# Altium PCB Avyaan 2.0.PcbDoc (part 3 of 3)
Units mm, origin at the board's own origin, x right, y up, seen from the top; angles counter-clockwise.
Board outline 364 x 499 mm, 2 copper layers (Top Layer, Bottom Layer), stack 3.2 mm thick; 226 components, 0 nets, 1029 pads, 6 vias.
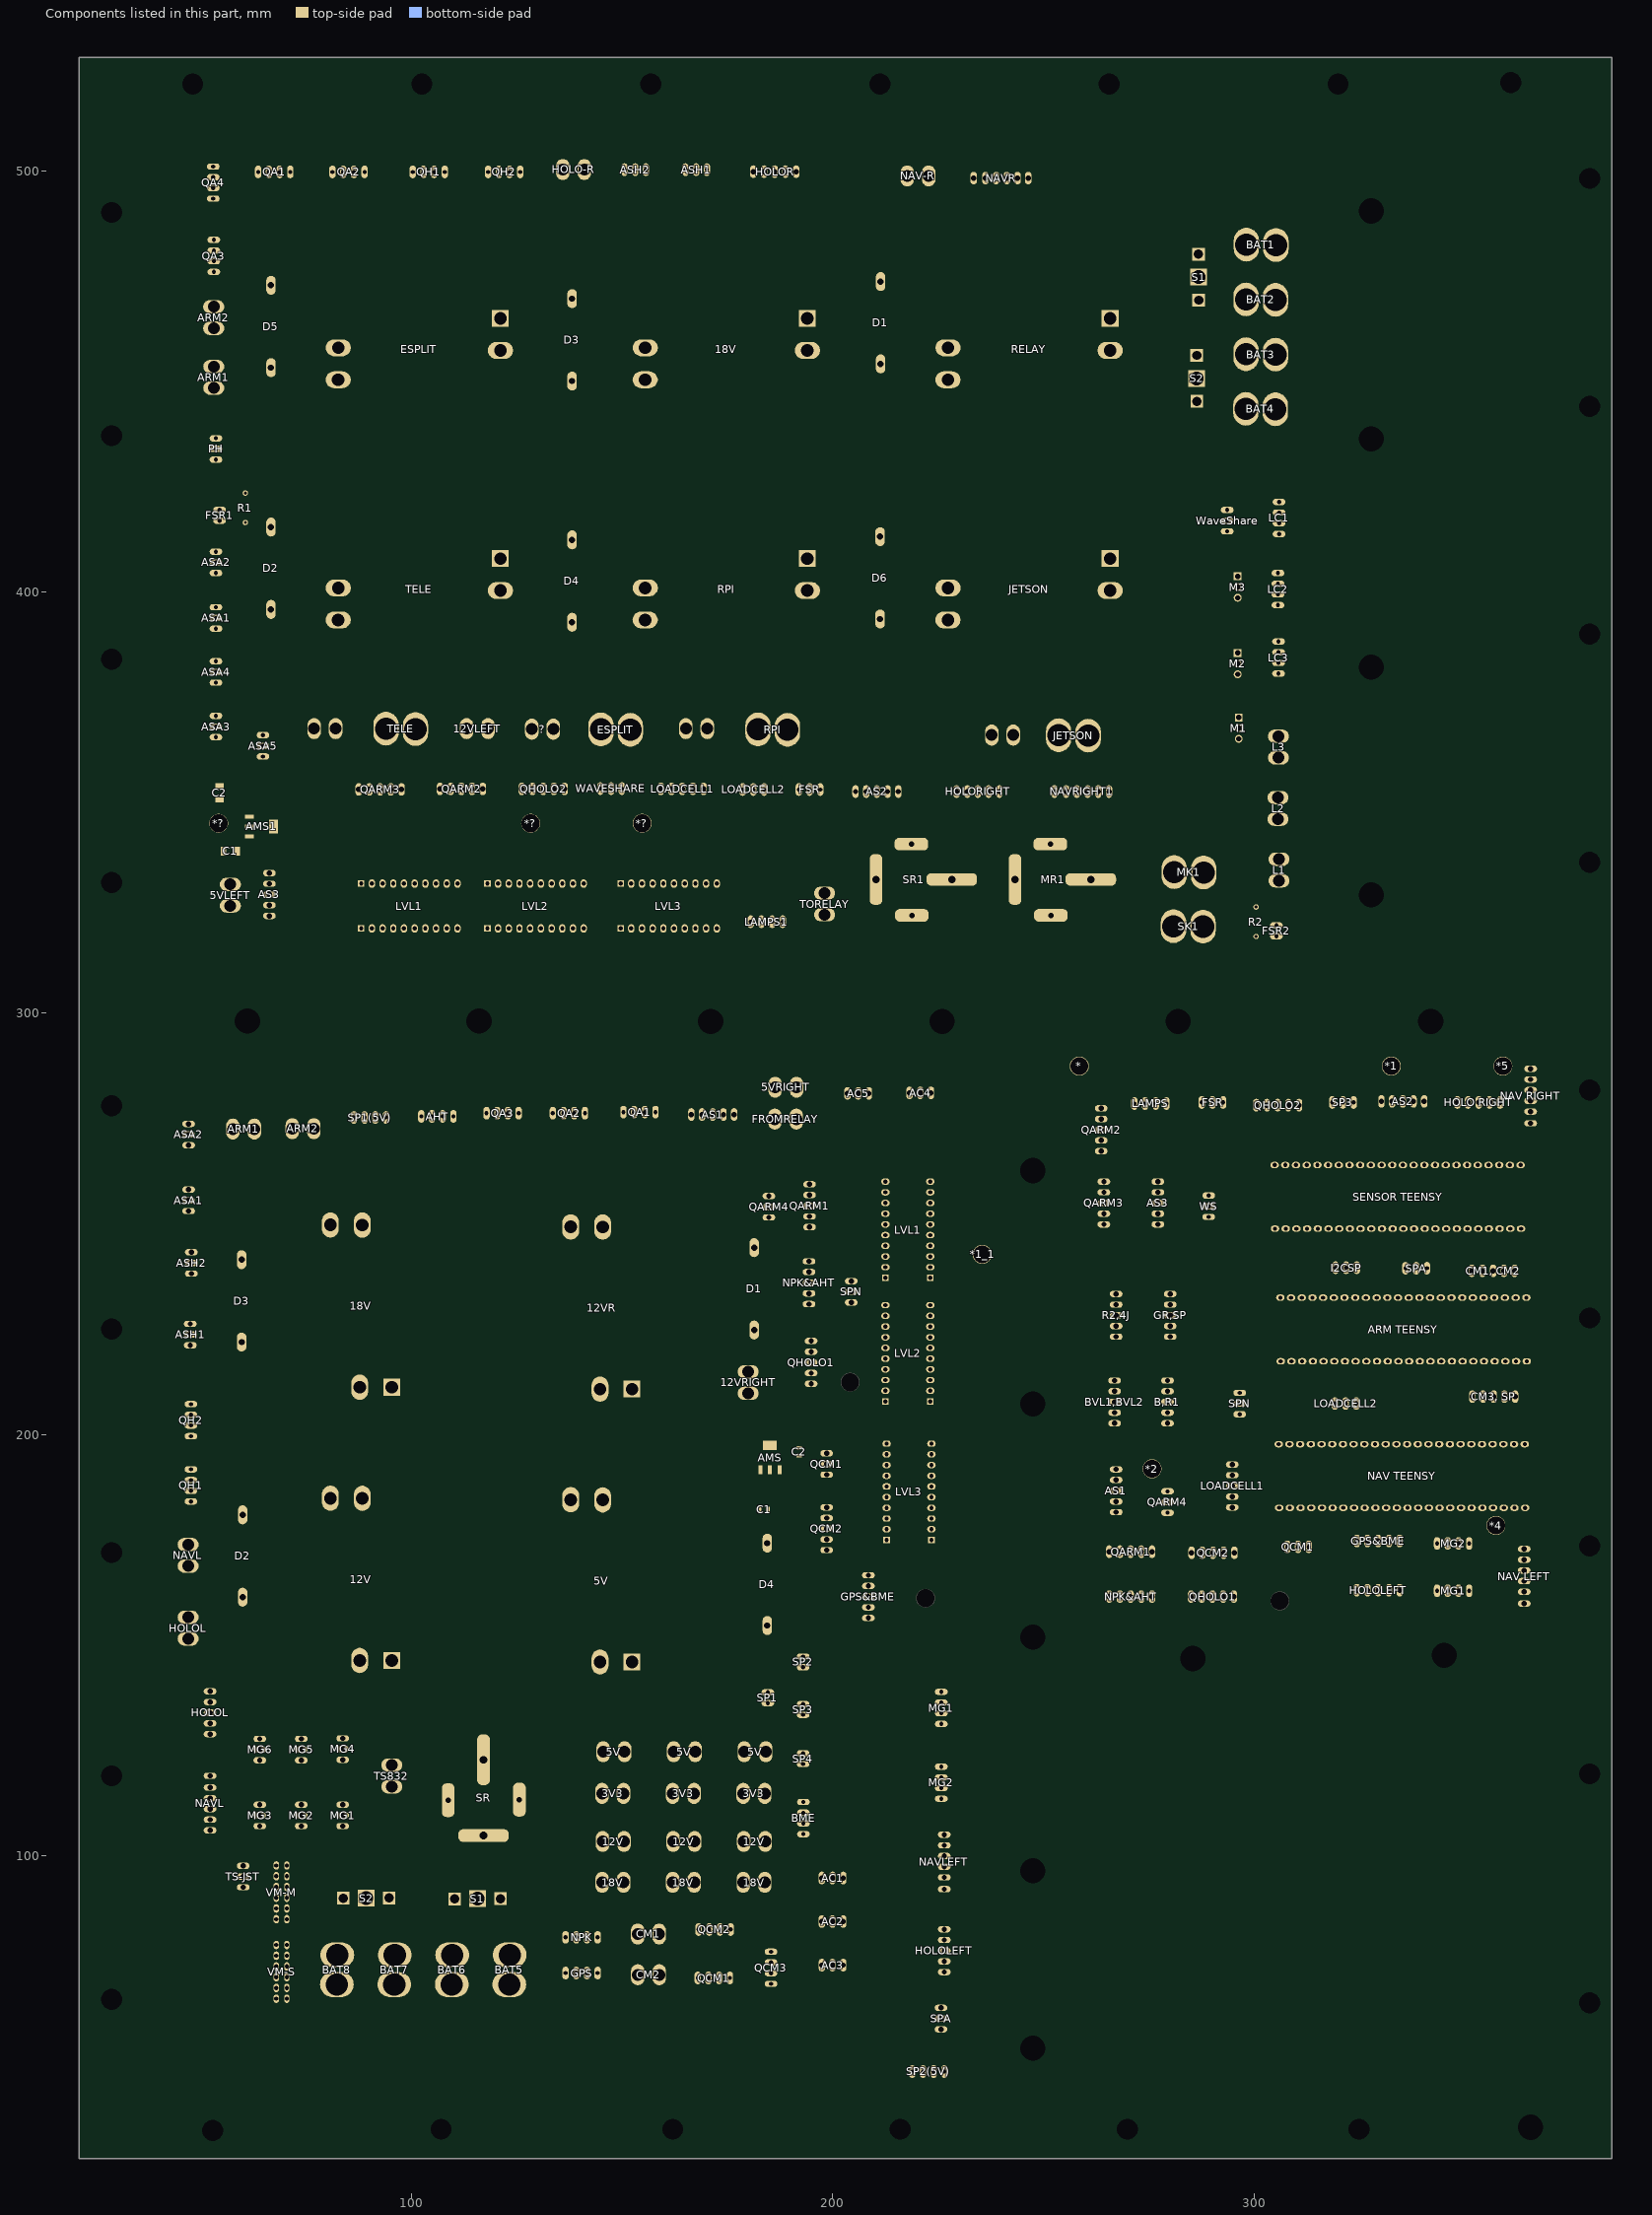
[diagram p3: the components of this part, seen from the top]

## Via types
v1: diameter 1.27, hole 0.711, Top Layer to Bottom Layer, 5 vias
v2: diameter 1.5, hole 0.711, Top Layer to Bottom Layer, 1 vias

## Nets (pads, with @x,y where several pads share a name; then routed paths per layer and width w, separated by ;. In a path a pad name is that pad's centre, name@x,y a point inside that pad or via, vN(x,y) a via of type N, cw(c..) or ccw(c..) an arc to the next point about the centre after c; other vN are vias at no path point) (continued)
copper on no net: (continued)
  Bottom Layer w0.4: 153.086,500.329 153.086,499.579 151.054,497.547 151.054,480.48 183.82,447.714 183.82,400.597 194.361,390.056 194.361,371.314 213.03,352.645 ; 167.564,500.329 165.024,497.789 165.024,468.669 184.836,448.857 184.836,401.74 195.885,390.691 195.885,372.33 215.57,352.645
  Bottom Layer w0.6: 47.045,268.651 47.795,268.651 52.412,273.269 52.412,277.202 56.561,281.351 177.15,281.351 181.77,276.731 181.77,271.28 186.39,266.66 202.298,266.66 205.57,263.388 205.57,254.387 210.102,249.855 212.526,249.855 ; 212.018,220.518 212.526,220.518 213.669,220.518 218.495,215.692 218.495,193.072 213.048,187.625 212.798,187.625
  Bottom Layer w1: 137.774,184.475 137.774,173.966 157.135,154.605 184.459,154.605
  Bottom Layer w1.5: 59.872,180.894 59.872,189.276 72.826,202.23 72.826,245.156 62.645,255.337 62.645,259.305 ; 62.645,272.488 62.645,259.305 ; 71.663,272.588 71.663,268.323 62.645,259.305

## Polygon pours and split planes (outlines as drawn)
no net on Mechanical 16 (solid): 675.155,431.68
no net on Mechanical 16 (solid): 57.32,403.155
no net on Mechanical 16 (solid): 569.603,296.058
no net on Mechanical 16 (solid): 385.435,322.241
no net on Bottom Layer "Bottom Layer-GND" (solid, pour order 72): 35.32,289.77 239.84,289.77 239.84,42.26 35.22,42.26 35.22,289.67
no net on Bottom Layer "GND" (solid, pour order 74): 255.381,154.483 255.381,290.119 373.11,290.119 373.11,289.992 373.11,154.229 255.381,154.229
no net on Bottom Layer "NONET_L02_P073" (solid, remove dead copper, pour order 73): 36.5,306.482 36.5,513.5 320.463,513.5 320.472,512.865 320.463,306.482
no net on Bottom Layer "NONET_L02_P053" (solid, remove dead copper, pour order 53): 883.365,371.762

## Silkscreen, mask and mechanical layers (free items; w line width, h text height)
Top Overlay:
  drawing of 36 lines, arcs and shapes, not listed
  text "3V3" at 151.011,504.526 h0.8 r90
  text "A7" at 153.551,504.526 h0.8 r90
  text "GND" at 156.091,504.526 h0.8 r90
  text "3V3" at 165.362,504.526 h0.8 r90
  text "A6" at 167.902,504.526 h0.8 r90
  text "GND" at 170.442,504.526 h0.8 r90
  text "GND" at 181.618,504.526 h0.8 r90
  text "PWM(6)" at 184.222,504.526 h0.8 r90
  text "DIR(7)" at 186.825,504.526 h0.8 r90
  text "PWM(8)" at 189.429,504.526 h0.8 r90
  text "DIR(9)" at 191.778,504.526 h0.8 r90
  text "GND" at 63.889,504.432 h0.8 r90
  text "5V" at 66.556,504.432 h0.8 r90
  text "ENA(28)" at 69.223,504.432 h0.8 r90
  text "ENB(29)" at 71.735,504.432 h0.8 r90
  text "GND" at 81.542,504.432 h0.8 r90
  text "5V" at 84.209,504.432 h0.8 r90
  text "ENA(30)" at 86.876,504.432 h0.8 r90
  text "ENB(31)" at 89.388,504.432 h0.8 r90
  text "GND" at 100.719,504.432 h0.8 r90
  text "5V" at 103.386,504.432 h0.8 r90
  text "ENA(6)" at 106.053,504.432 h0.8 r90
  text "ENB(7)" at 108.565,504.432 h0.8 r90
  text "GND" at 118.372,504.432 h0.8 r90
  text "5V" at 121.039,504.432 h0.8 r90
  text "ENA(8)" at 123.706,504.432 h0.8 r90
  text "ENB(9)" at 126.218,504.432 h0.8 r90
  text "OB / EA / PK" at 60,504 h4.5 r90
  text "GND" at 233.942,502.621 h0.8 r90
  text "GND" at 236.609,502.621 h0.8 r90
  text "PWM(2)" at 239.213,502.621 h0.8 r90
  text "DIR(3)" at 241.816,502.621 h0.8 r90
  text "PWM(4)" at 244.42,502.621 h0.8 r90
  text "DIR(5)" at 246.769,502.621 h0.8 r90
  text "ENB(32)" at 48.743,501.618 h0.8 r180
  text "ENA(33)" at 48.743,499.106 h0.8 r180
  text "5V" at 48.743,496.439 h0.8 r180
  text "GND" at 48.743,493.772 h0.8 r180
  text "ENB(34)" at 48.87,484.092 h0.8 r180
  text "ENA(35)" at 48.87,481.58 h0.8 r180
  text "5V" at 48.87,478.913 h0.8 r180
  text "GND" at 48.87,476.246 h0.8 r180
  text "In+" at 128.329,465.219 h4 r90
  text "In+" at 201.608,464.838 h4 r90
  text "In+" at 272.855,464.838 h4 r90
  text "Out-" at 151.315,458.44 h4 r90
  text "Out-" at 79.522,457.043 h4 r90
  text "Out-" at 223.921,456.916 h4 r90
  text "In-" at 272.855,452.646 h4 r90
  text "In-" at 128.329,451.757 h4 r90
  text "In-" at 201.608,451.249 h4 r90
  text "Out+" at 79.522,442.848 h4 r90
  text "Out+" at 151.315,441.959 h4 r90
  text "Out+" at 223.921,441.705 h4 r90
  text "GND" at 49.792,437.003 h0.8 r180
  text "A8" at 49.792,434.463 h0.8 r180
  text "5V" at 49.792,431.923 h0.8 r180
  text "GND" at 312.136,421.989 h0.8 r180
  text "38" at 50.173,419.985 h0.8 r180
  text "35" at 289.822,419.985 h0.8 r180
  text "DAT(41)" at 314.802,419.477 h0.8 r180
  text "34" at 289.822,417.445 h0.8 r180
  text "5V" at 50.14,417.191 h0.8 r180
  text "CLK(40)" at 314.935,416.81 h0.8 r180
  text "GND" at 289.822,414.778 h0.8 r180
  text "5V" at 311.337,414.143 h0.8 r180
  text "GND" at 49.792,409.825 h0.8 r180
  text "In+" at 201.608,408.069 h4 r90
  text "In+" at 128.329,407.434 h4 r90
  text "A13" at 49.792,407.285 h0.8 r180
  text "In+" at 272.855,406.926 h4 r90
  text "GND" at 312.136,405.098 h0.8 r180
  text "3V3" at 49.792,404.745 h0.8 r180
  text "L3" at 292.015,403.307 h0.8
  text "DAT(39)" at 314.935,402.586 h0.8 r180
  text "Out-" at 79.522,400.782 h4 r90
  text "Out-" at 223.921,400.752 h4 r90
  text "L3-GND" at 288.817,400.767 h0.8
  text "CLK(38)" at 314.935,399.919 h0.8 r180
  text "Out-" at 152.039,399.512 h4 r90
  text "GND" at 291.216,398.255 h0.8
  text "5V" at 311.337,397.252 h0.8 r180
  text "GND" at 49.792,396.871 h0.8 r180
  text "In-" at 128.329,396.004 h4 r90
  text "In-" at 272.855,394.861 h4 r90
  text "In-" at 201.608,394.734 h4 r90
  text "A12" at 49.792,394.331 h0.8 r180
  text "3V3" at 49.792,391.791 h0.8 r180
  text "GND" at 312.136,388.715 h0.8 r180
  text "DAT(41)" at 314.802,386.203 h0.8 r180
  text "Out+" at 79.522,386.079 h4 r90
  text "Out+" at 223.921,385.444 h4 r90
  text "L2" at 292.015,385.146 h0.8
  text "GND" at 49.792,383.917 h0.8 r180
  text "CLK(40)" at 314.935,383.536 h0.8 r180
  text "Out+" at 152.039,383.285 h4 r90
  text "L2-GND" at 288.817,382.733 h0.8
  text "A1" at 49.792,381.377 h0.8 r180
  text "5V" at 311.337,380.869 h0.8 r180
  text "GND" at 291.216,380.094 h0.8
  text "3V3" at 49.792,378.837 h0.8 r180
  text "GND" at 49.792,370.963 h0.8 r180
  text "L1" at 292.282,370.033 h0.8
  text "A0" at 49.792,368.423 h0.8 r180
  text "L1-GND" at 288.95,367.493 h0.8
  text "GND" at 70.747,366.391 h0.8 r180
  text "3V3" at 49.792,365.883 h0.8 r180
  text "RPI" at 161.214,365.799 h1.52 r90
  text "GND" at 291.216,364.953 h0.8
  text "TELE" at 72.695,364.783 h1.52 r90
  text "A9" at 69.947,363.851 h0.8 r180
  text "ESPLIT" at 124.638,363.386 h1.52 r90
  text "JETSON" at 233.858,361.608 h1.52 r90
  text "3V3" at 70.747,361.311 h0.8 r180
  text "GND" at 229.878,356.825 h0.8 r90
  text "PWM(6)" at 232.482,356.825 h0.8 r90
  text "DIR(7)" at 235.085,356.825 h0.8 r90
  text "PWM(8)" at 237.689,356.825 h0.8 r90
  text "DIR(9)" at 240.038,356.825 h0.8 r90
  text "GND" at 253.246,356.698 h0.8 r90
  text "GND" at 255.913,356.698 h0.8 r90
  text "PWM(2)" at 258.517,356.698 h0.8 r90
  text "DIR(3)" at 261.12,356.698 h0.8 r90
  text "PWM(4)" at 263.724,356.698 h0.8 r90
  text "DIR(5)" at 266.073,356.698 h0.8 r90
  text "6" at 126.5,348.264 h0.8 r90
  text "7" at 129.104,348.264 h0.8 r90
  text "8" at 131.707,348.264 h0.8 r90
  text "9" at 134.311,348.264 h0.8 r90
  text "38" at 192.413,348.062 h0.8 r90
  text "39" at 194.953,347.973 h0.8 r90
  text "31" at 114.861,347.731 h0.8 r90
  text "GND" at 117.356,347.554 h0.8 r90
  text "28" at 107.241,347.465 h0.8 r90
  text "29" at 109.781,347.465 h0.8 r90
  text "30" at 112.321,347.465 h0.8 r90
  text "35" at 145.296,347.427 h0.8 r90
  text "34" at 147.709,347.427 h0.8 r90
  text "35" at 87.892,347.338 h0.8 r90
  text "34" at 90.432,347.338 h0.8 r90
  text "33" at 92.972,347.338 h0.8 r90
  text "32" at 95.512,347.338 h0.8 r90
  text "GND" at 197.493,347.173 h0.8 r90
  text "GND" at 150.218,347.018 h0.8 r90
  text "GND" at 136.66,346.665 h0.8 r90
  text "GND" at 169.807,346.665 h0.8 r90
  text "GND" at 98.052,346.538 h0.8 r90
  text "GND" at 184.003,346.538 h0.8 r90
  text "GND" at 205.748,346.538 h0.8 r90
  text "A9" at 208.352,346.538 h0.8 r90
  text "A8" at 210.955,346.538 h0.8 r90
  text "A7" at 213.559,346.538 h0.8 r90
  text "A6" at 215.908,346.538 h0.8 r90
  text "AN41" at 159.647,346.132 h0.8 r90
  text "AA41" at 178.824,346.005 h0.8 r90
  text "AN40" at 162.251,345.865 h0.8 r90
  text "AN39" at 164.854,345.865 h0.8 r90
  text "AN38" at 167.458,345.865 h0.8 r90
  text "AA40" at 181.463,345.738 h0.8 r90
  text "A0" at 71.471,333.879 h0.8 r180
  text "A1" at 71.205,331.53 h0.8 r180
  text "A12" at 72.138,328.926 h0.8 r180
  text "30" at 180.856,326.345 h0.8 r90
  text "31" at 183.438,326.345 h0.8 r90
  text "32" at 186.021,326.345 h0.8 r90
  text "GND" at 188.603,326.345 h0.8 r90
  text "A13" at 72.138,326.323 h0.8 r180
  text "GND" at 72.271,323.592 h0.8 r180
  text "39" at 310.015,321.687 h0.8 r180
  text "5V" at 309.982,318.893 h0.8 r180
  text "DIR(5)" at 372.8,287.285 h0.8 r180
  text "ENB(36)" at 116.966,284.838 h0.8 r270
  text "ENA(37)" at 119.478,284.838 h0.8 r270
  text "SCL(16)" at 106.778,284.704 h0.8 r270
  text "SDA(17)" at 109.445,284.704 h0.8 r270
  text "ENB(12)" at 133.147,284.704 h0.8 r270
  text "ENB(10)" at 149.403,284.704 h0.8 r270
  text "ENA(19)" at 151.915,284.704 h0.8 r270
  text "PWM(4)" at 372.934,284.644 h0.8 r180
  text "ENA(11)" at 135.659,284.571 h0.8 r270
  text "GND" at 165.96,282.235 h0.8 r270
  text "GND" at 88.49,282.039 h0.8 r270
  text "GND" at 104.111,282.039 h0.8 r270
  text "GND" at 124.812,282.039 h0.8 r270
  text "GND" at 140.993,282.039 h0.8 r270
  text "GND" at 157.249,282.039 h0.8 r270
  text "DIR(3)" at 372.8,282.002 h0.8 r180
  text "41" at 168.5,281.435 h0.8 r270
  text "40" at 171.04,281.435 h0.8 r270
  text "39" at 173.58,281.435 h0.8 r270
  text "38" at 176.247,281.435 h0.8 r270
  text "5V" at 85.978,281.239 h0.8 r270
  text "24" at 91.157,281.239 h0.8 r270
  text "25" at 93.824,281.239 h0.8 r270
  text "5V" at 101.599,281.239 h0.8 r270
  text "5V" at 122.145,281.239 h0.8 r270
  text "5V" at 138.326,281.239 h0.8 r270
  text "5V" at 154.582,281.239 h0.8 r270
  text "PWM(2)" at 372.934,279.36 h0.8 r180
  text "GND" at 268.419,277.208 h0.8 r90
  text "GND" at 370.934,276.719 h0.8 r180
  text "IN" at 224.049,276.689 h0.8 r90
  text "IN" at 209.063,276.562 h0.8 r90
  text "GND" at 218.903,275.756 h0.8 r90
  text "VCC" at 221.476,275.756 h0.8 r90
  text "GND" at 203.917,275.629 h0.8 r90
  text "VCC" at 206.49,275.629 h0.8 r90
  text "31" at 268.673,275.471 h0.8 r180
  text "9" at 303.725,274.489 h0.8 r90
  text "8" at 306.392,274.489 h0.8 r90
  text "7" at 308.932,274.489 h0.8 r90
  text "6" at 311.472,274.489 h0.8 r90
  text "GND" at 370.934,274.201 h0.8 r180
  text "A6" at 330.776,274.071 h0.8 r90
  text "A7" at 333.443,274.071 h0.8 r90
  text "A8" at 336.11,274.071 h0.8 r90
  text "A9" at 338.904,274.071 h0.8 r90
  text "38" at 287.977,273.944 h0.8 r90
  text "39" at 290.771,273.944 h0.8 r90
  text "24" at 319.219,273.906 h0.8 r90
  text "25" at 321.823,273.906 h0.8 r90
  text "31" at 277.563,273.829 h0.8 r90
  text "32" at 274.769,273.563 h0.8 r90
  text "30" at 280.23,273.563 h0.8 r90
  text "GND" at 41.353,273.393 h0.8
  text "GND" at 341.317,273.271 h0.8 r90
  text "GND" at 293.438,273.144 h0.8 r90
  text "GND" at 324.426,273.106 h0.8 r90
  text "GND" at 301.058,272.89 h0.8 r90
  text "30" at 268.94,272.804 h0.8 r180
  text "GND" at 272.077,272.763 h0.8 r90
  text "GND" at 359.097,272.73 h0.8 r90
  text "41" at 41.486,270.853 h0.8
  text "DIR(9)" at 348.81,270.864 h0.8 r90
  text "DIR(7)" at 353.954,270.864 h0.8 r90
  text "PWM(8)" at 351.382,270.731 h0.8 r90
  text "PWM(6)" at 356.525,270.731 h0.8 r90
  text "29" at 268.94,270.391 h0.8 r180
  text "3V3" at 41.353,268.313 h0.8
  text "28" at 268.94,267.851 h0.8 r180
  text "35" at 269.308,260.612 h0.8 r180
  text "GND" at 283.501,260.485 h0.8 r180
  text "19" at 197.837,258.915 h0.8
  text "34" at 269.308,257.945 h0.8 r180
  text "A13" at 283.367,257.818 h0.8 r180
  text "GND" at 41.353,257.772 h0.8
  text "GND" at 294.962,257.056 h0.8 r180
  text "10" at 197.837,256.502 h0.8
  text "36" at 179.116,256.121 h0.8
  text "33" at 269.308,255.405 h0.8 r180
  text "A12" at 283.367,255.405 h0.8 r180
  text "40" at 41.486,255.232 h0.8
  text "34" at 294.073,254.897 h0.8 r180
  text "11" at 197.837,253.962 h0.8
  text "37" at 179.116,253.581 h0.8
  text "Out+" at 70.568,253.022 h4
  text "Out-" at 87.459,253.022 h4
  text "Out+" at 129.623,253.022 h4
  text "Out-" at 145.752,253.022 h4
  text "A1" at 282.434,252.802 h0.8 r180
  text "32" at 269.308,252.738 h0.8 r180
  text "3V3" at 41.353,252.692 h0.8
  text "35" at 294.073,251.976 h0.8 r180
  text "12" at 197.837,251.422 h0.8
  text "GND" at 178.317,251.041 h0.8
  text "A0" at 282.701,250.452 h0.8 r180
  text "GND" at 270.07,250.198 h0.8 r180
  text "GND" at 197.837,248.882 h0.8
  text "3V3" at 41.353,243.04 h0.8
  text "24" at 336.364,242.791 h0.8 r90
  text "16" at 319.854,242.664 h0.8 r90
  text "17" at 322.394,242.664 h0.8 r90
  text "GND" at 324.934,242.664 h0.8 r90
  text "25" at 338.968,242.664 h0.8 r90
  text "GND" at 341.571,242.664 h0.8 r90
  text "GND" at 351.985,242.664 h0.8 r90
  text "PWM(27)" at 354.652,242.664 h0.8 r90
  text "DIR(26)" at 357.319,242.664 h0.8 r90
  text "PWM(12)" at 359.986,242.664 h0.8 r90
  text "DIR(33)" at 362.653,242.664 h0.8 r90
  text "GND" at 188.566,240.754 h0.8
  text "39" at 41.486,240.5 h0.8
  text "19" at 189.499,238.214 h0.8
  text "GND" at 41.353,237.96 h0.8
  text "GND" at 199.488,235.928 h0.8
  text "18" at 189.499,235.674 h0.8
  text "GND" at 273.372,234.069 h0.8 r180
  text "DIR(29)" at 288.231,233.815 h0.8 r180
  text "25" at 199.488,233.388 h0.8
  text "17" at 189.499,233.134 h0.8
  text "PWM(9)" at 275.371,231.529 h0.8 r180
  text "PWM(28)" at 288.358,231.529 h0.8 r180
  text "24" at 199.488,230.848 h0.8
  text "16" at 189.499,230.594 h0.8
  text "DIR(8)" at 275.238,228.862 h0.8 r180
  text "DIR(11)" at 287.964,228.862 h0.8 r180
  text "PWM(7)" at 275.371,226.195 h0.8 r180
  text "PWM(10)" at 288.231,226.195 h0.8 r180
  text "3V3" at 41.353,226.022 h0.8
  text "GND" at 285.565,223.655 h0.8 r180
  text "DIR(6)" at 275.238,223.528 h0.8 r180
  text "38" at 41.486,223.482 h0.8
  text "2" at 189.276,221.704 h0.8
  text "GND" at 41.353,220.942 h0.8
  text "3" at 189.276,219.291 h0.8
  text "4" at 189.276,216.751 h0.8
  text "5" at 189.276,214.211 h0.8
  text "GND" at 285.564,213.495 h0.8 r180
  text "GND" at 273.118,213.368 h0.8 r180
  text "GND" at 188.439,211.671 h0.8
  text "PWM(23)" at 288.363,210.955 h0.8 r180
  text "PWM(5)" at 275.117,210.828 h0.8 r180
  text "24" at 301.058,210.384 h0.8 r180
  text "DIR(4)" at 274.984,208.288 h0.8 r180
  text "DIR(22)" at 288.23,208.288 h0.8 r180
  text "25" at 301.058,207.844 h0.8 r180
  text "ENB(2)" at 39.289,206.718 h0.8
  text "PWM(3)" at 275.117,205.748 h0.8 r180
  text "PWM(37)" at 288.363,205.621 h0.8 r180
  text "GND" at 301.858,205.24 h0.8 r180
  text "In-" at 82.965,204.269 h4
  text "In+" at 154.339,204.127 h4
  text "ENA(3)" at 39.289,204.051 h0.8
  text "In+" at 95.284,204 h4
  text "In-" at 143.798,203.888 h4
  text "21" at 359.97,203.725 h0.8 r90
  text "20" at 357.478,203.459 h0.8 r90
  text "DIR(2)" at 274.984,203.081 h0.8 r180
  text "41" at 324.617,203.04 h0.8 r90
  text "DIR(36)" at 288.23,202.954 h0.8 r180
  text "40" at 322.172,202.773 h0.8 r90
  text "GND" at 362.463,202.659 h0.8 r90
  text "GND" at 319.727,201.974 h0.8 r90
  text "5V" at 42.089,201.384 h0.8
  text "DIR(14)" at 352.493,200.126 h0.8 r90
  text "PWM(15)" at 354.985,199.993 h0.8 r90
  text "GND" at 41.289,198.872 h0.8
  text "GND" at 202.536,195.034 h0.8
  text "41" at 299.661,193.366 h0.8 r180
  text "29" at 202.536,192.494 h0.8
  text "GND" at 273.283,192.159 h0.8 r180
  text "ENB(4)" at 39.289,191.224 h0.8
  text "40" at 299.928,190.572 h0.8 r180
  text "28" at 202.536,189.954 h0.8
  text "41" at 272.483,189.619 h0.8 r180
  text "Out+" at 71.076,189.014 h4
  text "Out-" at 87.205,189.014 h4
  text "Out+" at 129.369,189.014 h4
  text "Out-" at 147.022,189.014 h4
  text "ENA(5)" at 39.289,188.557 h0.8
  text "39" at 299.928,188.032 h0.8 r180
  text "GND" at 285.437,187.206 h0.8 r180
  text "40" at 272.483,187.079 h0.8 r180
  text "5V" at 42.089,185.89 h0.8
  text "38" at 299.928,185.619 h0.8 r180
  text "39" at 272.483,184.539 h0.8 r180
  text "37" at 284.637,184.539 h0.8 r180
  text "GND" at 41.289,183.378 h0.8
  text "GND" at 300.727,183.015 h0.8 r180
  text "GND" at 202.917,182.207 h0.8
  text "38" at 272.483,181.872 h0.8 r180
  text "36" at 284.637,181.745 h0.8 r180
  text "35" at 202.917,179.794 h0.8
  text "32" at 202.917,177.254 h0.8
  text "31" at 202.917,174.714 h0.8
  text "DIR(15)" at 372.172,173.49 h0.8 r180
  text "30" at 202.917,172.174 h0.8
  text "PWM(14)" at 372.305,170.696 h0.8 r180
  text "16" at 324.998,169.429 h0.8 r90
  text "17" at 327.474,169.429 h0.8 r90
  text "18" at 329.951,169.429 h0.8 r90
  text "19" at 332.427,169.429 h0.8 r90
  text "20" at 343.984,169.301 h0.8 r90
  text "26" at 346.439,169.301 h0.8 r90
  text "27" at 348.895,169.301 h0.8 r90
  text "29" at 310.805,168.75 h0.8 r90
  text "28" at 313.314,168.75 h0.8 r90
  text "GND" at 334.904,168.496 h0.8 r90
  text "GND" at 351.35,168.501 h0.8 r90
  text "DIR(23)" at 372.305,168.029 h0.8 r180
  text "GND" at 308.297,167.95 h0.8 r90
  text "11" at 271.34,167.239 h0.8 r90
  text "31" at 288.31,167.149 h0.8 r90
  text "19" at 266.387,166.972 h0.8 r90
  text "10" at 268.864,166.972 h0.8 r90
  text "12" at 273.817,166.972 h0.8 r90
  text "30" at 285.755,166.883 h0.8 r90
  text "32" at 290.866,166.883 h0.8 r90
  text "35" at 293.422,166.883 h0.8 r90
  text "16" at 212.315,166.205 h0.8
  text "GND" at 295.978,166.083 h0.8 r90
  text "GND" at 276.293,166.039 h0.8 r90
  text "PWM(22)" at 372.438,165.489 h0.8 r180
  text "17" at 212.315,163.665 h0.8
  text "GND" at 369.639,162.949 h0.8 r180
  text "18" at 212.315,160.998 h0.8
  text "GND" at 369.639,160.409 h0.8 r180
  text "11" at 346.527,158.391 h0.8 r90
  text "19" at 212.315,158.28 h0.8
  text "10" at 343.984,158.125 h0.8 r90
  text "12" at 349.07,158.125 h0.8 r90
  text "GND" at 324.68,157.701 h0.8 r90
  text "5" at 287.882,157.522 h0.8 r90
  text "4" at 290.454,157.522 h0.8 r90
  text "3" at 293.025,157.522 h0.8 r90
  text "2" at 295.597,157.522 h0.8 r90
  text "GND" at 351.613,157.192 h0.8 r90
  text "19" at 268.673,156.729 h0.8 r90
  text "18" at 271.213,156.729 h0.8 r90
  text "17" at 273.753,156.729 h0.8 r90
  text "16" at 276.293,156.729 h0.8 r90
  text "GND" at 285.31,155.923 h0.8 r90
  text "GND" at 266.133,155.796 h0.8 r90
  text "GND" at 212.188,155.664 h0.8
  text "DIR(34)" at 329.887,155.035 h0.8 r90
  text "DIR(37)" at 335.094,155.035 h0.8 r90
  text "PWM(33)" at 327.22,154.902 h0.8 r90
  text "PWM(36)" at 332.3,154.902 h0.8 r90
  text "GND" at 46.331,138.773 h0.8
  text "In-" at 82.203,138.595 h4
  text "In+" at 94.776,138.595 h4
  text "In-" at 142.909,138.595 h4
  text "In+" at 154.974,138.595 h4
  text "10" at 221.234,138.524 h0.8
  text "PWM(33)" at 43.532,136.106 h0.8
  text "11" at 221.501,135.981 h0.8
  text "DIR(34)" at 43.665,133.439 h0.8
  text "12" at 221.234,133.438 h0.8
  text "PWM(36)" at 43.532,130.899 h0.8
  text "GND" at 220.301,130.895 h0.8
  text "DIR(37)" at 43.665,128.105 h0.8
  text "20" at 78.27,127.524 h0.8
  text "26" at 68.558,127.436 h0.8
  text "27" at 58.585,127.27 h0.8
  text "5V" at 78.27,124.857 h0.8
  text "5V" at 68.558,124.769 h0.8
  text "5V" at 58.585,124.603 h0.8
  text "GND" at 77.47,122.19 h0.8
  text "GND" at 67.758,122.102 h0.8
  text "GND" at 57.785,121.936 h0.8
  text "20" at 221.101,120.49 h0.8
  text "GND" at 46.325,118.326 h0.8
  text "26" at 220.979,118.035 h0.8
  text "GND" at 46.325,115.786 h0.8
  text "27" at 220.979,115.579 h0.8
  text "PWM(22)" at 43.526,113.246 h0.8
  text "GND" at 220.179,113.124 h0.8
  text "3V3" at 197.202,112.357 h0.8
  text "12" at 58.718,111.776 h0.8
  text "10" at 78.403,111.776 h0.8
  text "11" at 68.919,111.729 h0.8
  text "DIR(23)" at 43.659,110.706 h0.8
  text "GND" at 197.202,109.817 h0.8
  text "5V" at 58.585,109.109 h0.8
  text "5V" at 78.27,109.109 h0.8
  text "5V" at 68.519,109.062 h0.8
  text "PWM(14)" at 43.659,108.039 h0.8
  text "SCL(19)" at 197.202,107.277 h0.8
  text "GND" at 57.785,106.442 h0.8
  text "GND" at 77.47,106.442 h0.8
  text "GND" at 67.72,106.395 h0.8
  text "DIR(15)" at 43.792,105.245 h0.8
  text "SDA(18)" at 197.202,104.737 h0.8
  text "DIR(15)" at 217.647,104.615 h0.8
  text "PWM(14)" at 217.513,102.075 h0.8
  text "VCC" at 200.02,100.002 h0.8 r270
  text "GND" at 202.593,100.002 h0.8 r270
  text "DIR(23)" at 217.513,99.408 h0.8
  text "IN" at 197.067,99.069 h0.8 r270
  text "IN2" at 72.34,97.25 h0.8
  text "OUT" at 63.92,97.23 h0.8
  text "PWM(22)" at 217.5,96.86 h0.8
  text "VCC" at 63.92,94.7 h0.8
  text "VCC" at 72.3,94.6 h0.8
  text "GND" at 220.16,94.31 h0.8
  text "GND" at 72.34,92.15 h0.8
  text "GND" at 63.77,92.08 h0.8
  text "GND" at 220.179,91.534 h0.8
  text "IN1" at 72.47,89.58 h0.8
  text "VCC" at 199.513,89.588 h0.8 r270
  text "GND" at 202.086,89.588 h0.8 r270
  text "IN3" at 63.89,89.48 h0.8
  text "SDA(18)" at 135.988,88.903 h0.8 r270
  text "SCL(19)" at 138.528,88.903 h0.8 r270
  text "IN" at 196.94,88.655 h0.8 r270
  text "VCC" at 63.87,87.06 h0.8
  text "VCC" at 72.32,86.94 h0.8
  text "GND" at 141.068,86.237 h0.8 r270
  text "5V" at 143.608,85.437 h0.8 r270
  text "GND" at 63.78,84.61 h0.8
  text "GND" at 72.25,84.48 h0.8
  text "DIR(37)" at 217.51,82.06 h0.8
  text "PWM(36)" at 217.51,79.62 h0.8
  text "VCC" at 199.625,79.199 h0.8 r270
  text "GND" at 202.198,79.199 h0.8 r270
  text "ENB(35)" at 167.748,78.722 h0.8 r270
  text "ENA(32)" at 170.26,78.722 h0.8 r270
  text "5V" at 172.927,78.722 h0.8 r270
  text "GND" at 175.594,78.722 h0.8 r270
  text "OUT" at 63.57,78.43 h0.8
  text "IN2" at 72.34,78.33 h0.8
  text "IN" at 197.052,78.266 h0.8 r270
  text "GND" at 189.367,77.103 h0.8
  text "DIR(34)" at 217.59,77.01 h0.8
  text "VCC" at 63.53,75.91 h0.8
  text "VCC" at 72.34,75.784 h0.8
  text "5V" at 189.367,74.436 h0.8
  text "PWM(33)" at 217.52,74.45 h0.8
  text "GND" at 63.53,73.3 h0.8
  text "GND" at 72.34,73.27 h0.8
  text "GND" at 220.14,71.91 h0.8
  text "ENA(28)" at 189.367,71.769 h0.8
  text "IN3" at 63.64,70.79 h0.8
  text "IN1" at 72.34,70.61 h0.8
  text "ENB(29)" at 189.367,69.257 h0.8
  text "VCC" at 63.49,68.17 h0.8
  text "VCC" at 72.34,68.064 h0.8
  text "SDA(17)" at 135.983,67.979 h0.8 r270
  text "SCL(16)" at 138.494,67.979 h0.8 r270
  text "GND" at 141.161,67.979 h0.8 r270
  text "5V" at 143.828,67.979 h0.8 r270
  text "ENB(31)" at 167.86,67.09 h0.8 r270
  text "ENA(30)" at 170.371,67.09 h0.8 r270
  text "5V" at 173.038,67.09 h0.8 r270
  text "GND" at 175.705,67.09 h0.8 r270
  text "GND" at 63.47,65.6 h0.8
  text "GND" at 72.34,65.55 h0.8
  text "GND" at 220.179,63.34 h0.8
  text "25" at 220.979,60.8 h0.8
  text "24" at 220.979,58.26 h0.8
  text "5V" at 219.425,52.827 h0.8 r90
  text "GND" at 221.965,52.827 h0.8 r90
  text "24" at 224.505,52.827 h0.8 r90
  text "25" at 227.045,52.827 h0.8 r90
Bottom Overlay:
  the board outline again, w0.254